# Altium PCB STM8_LQFP64_DEVELOPMENT_BOARD.PcbDoc
Units mil, origin at the board's own origin, x right, y up, seen from the top; angles counter-clockwise.
Board outline 3740.16 x 2362.2 mil, 2 copper layers (Top Layer, Bottom Layer); 45 components, 72 nets, 232 pads, 5 vias.
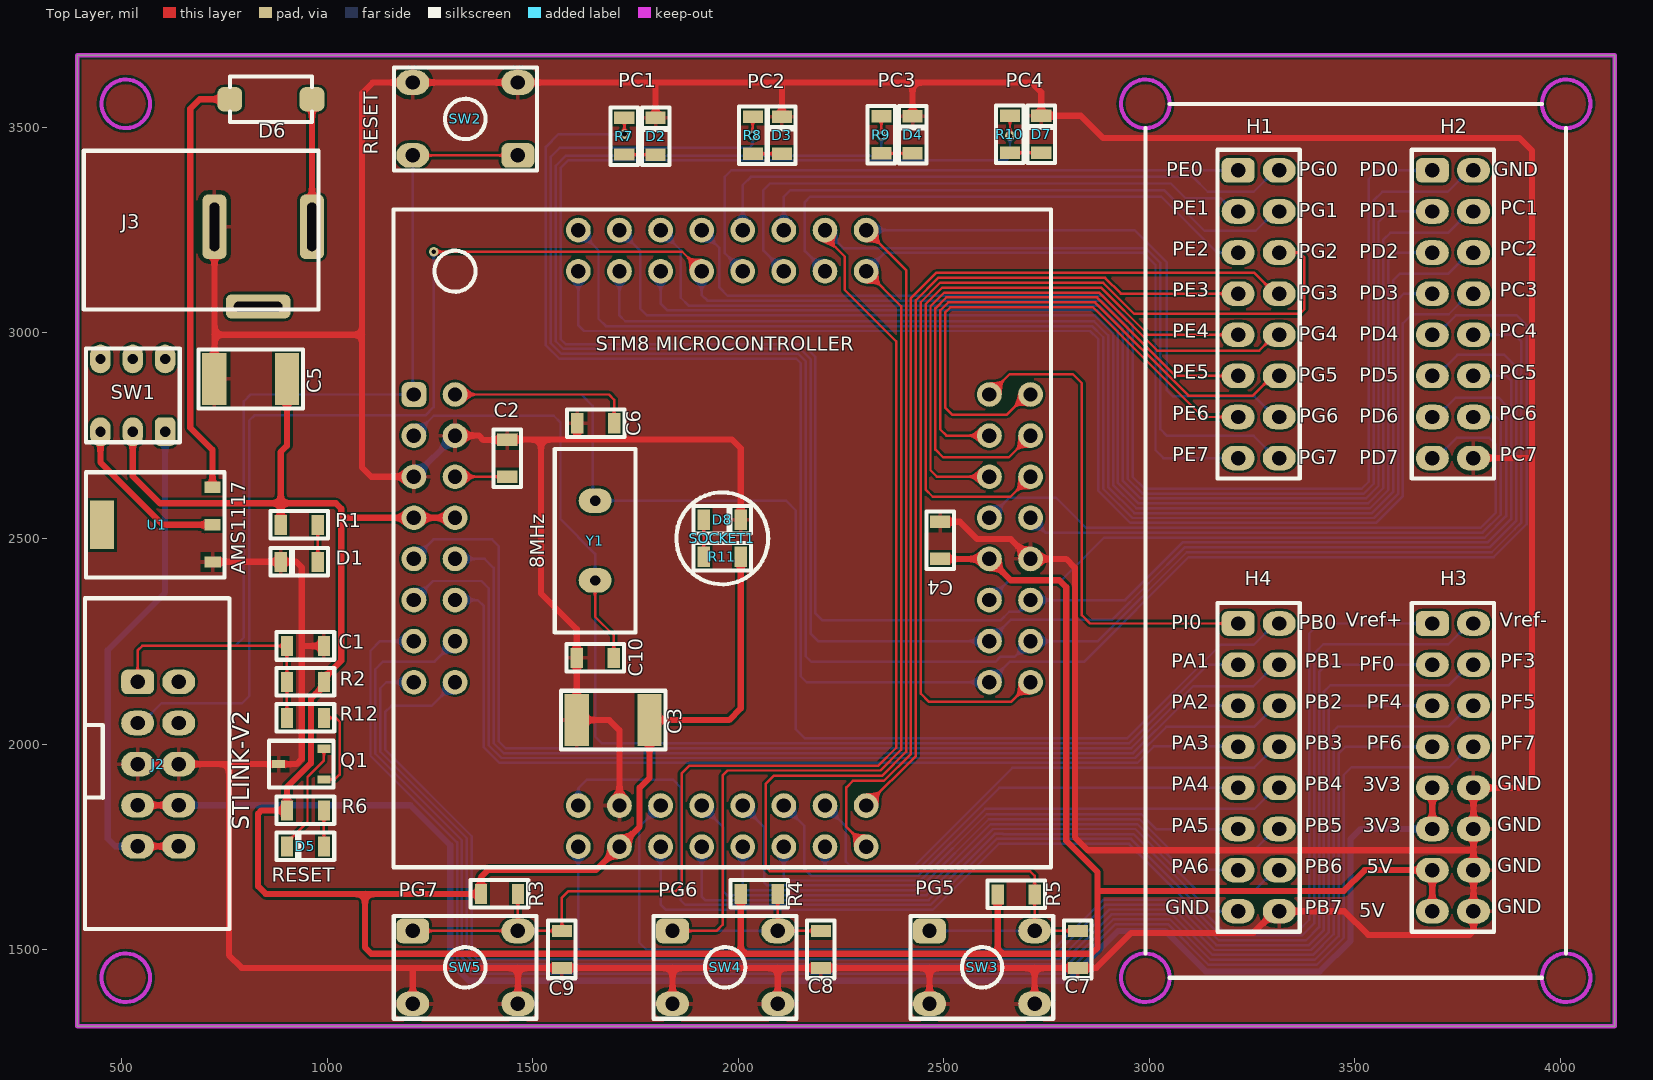
[diagram p0: Top Layer view]
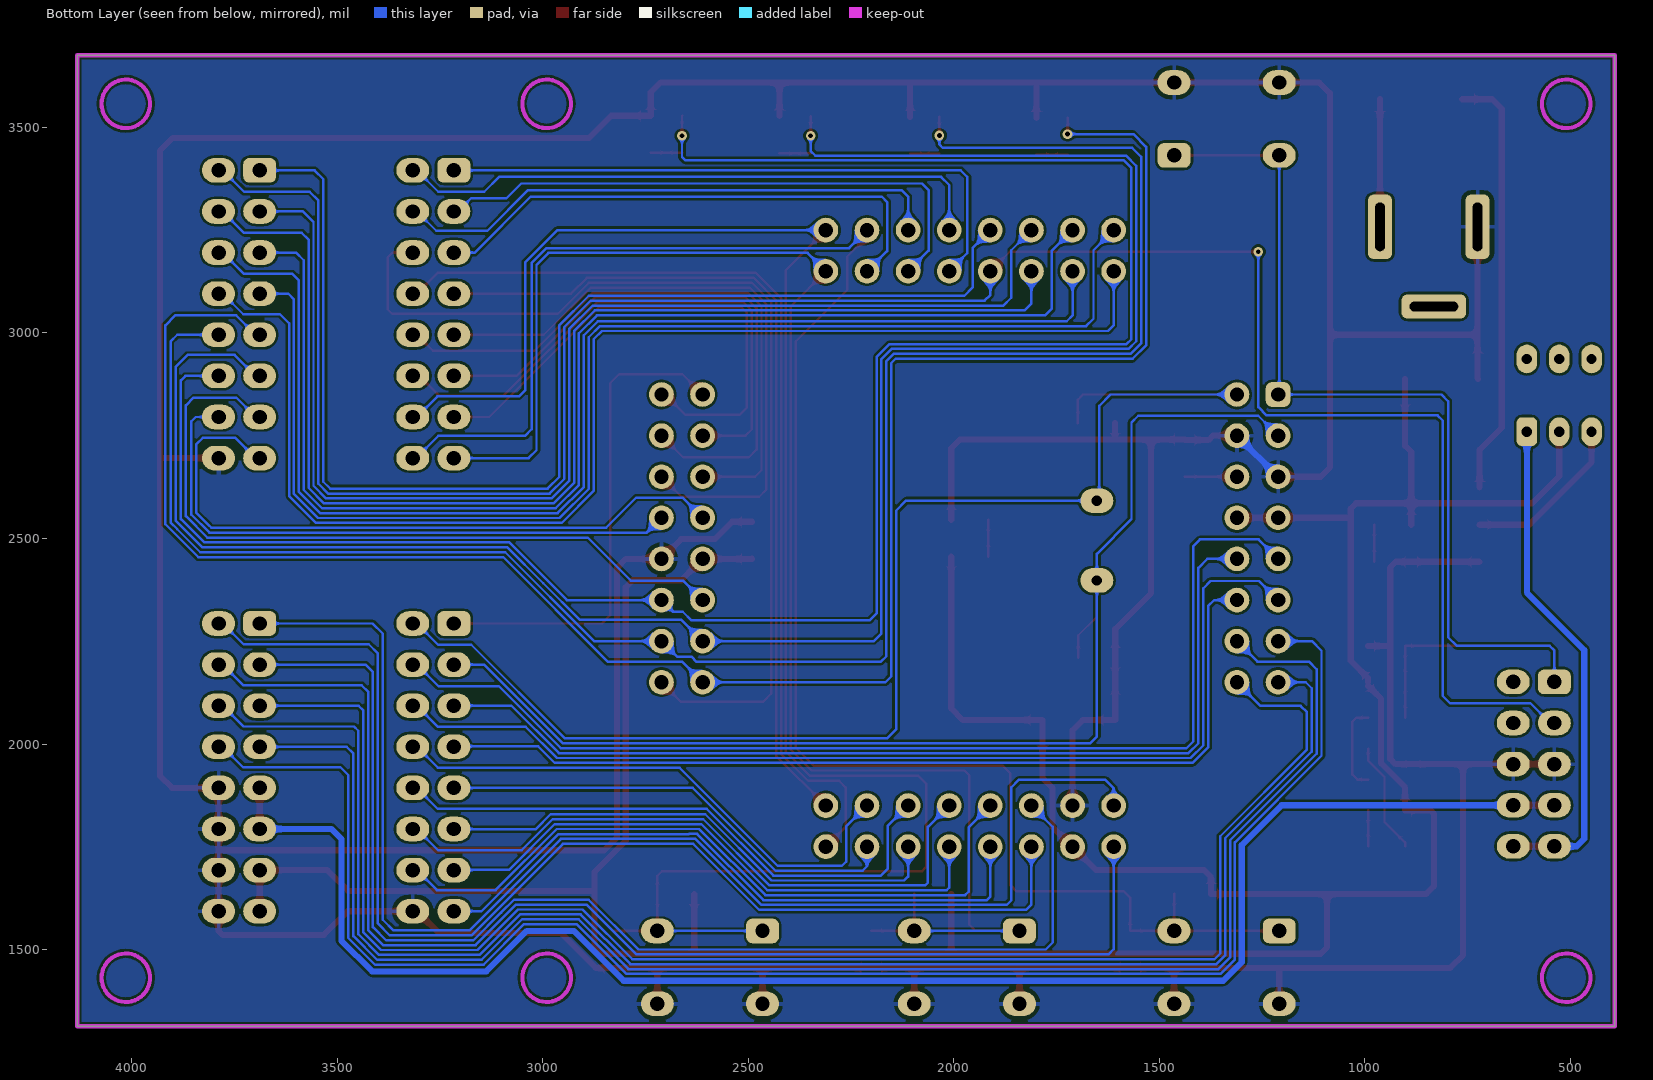
[diagram p1: Bottom Layer view, seen from below]

## Layer stack, top to bottom
Top Solder: solder mask 0.4, Solder Resist, Dk 3.5
Top Layer: signal copper 1.4
Dielectric 1: dielectric 12.6, FR-4, Dk 4.8
Bottom Layer: signal copper 1.4
Bottom Solder: solder mask 0.4, Solder Resist, Dk 3.5

## Board outline
392.31,1313.36 392.31,3675.57 4132.46,3675.57 4132.46,1313.36

## Design rules (kind name [scope] priority, off if disabled: settings)
Clearance [All] p1: gap=5.91 ignorepadtopadclearanceinfootprint=FALSE
PolygonConnect [All] p1: connectstyle=Relief reliefconductorwidth=10 reliefentries=4 polygonreliefangle="90 Angle" airgapwidth=10
RoutingVias [All] p1: holewidth=11.81 width=23.62 viastyle="Through Hole" minholewidth=11.81 minwidth=23.62 maxholewidth=11.81 maxwidth=23.62
SolderMaskExpansion [All] p1: expansion=4 istentingtop=FALSE
Width [All] p1: maxlimit=15 minlimit=6 preferedwidth=6
30 further rules are at their usual default settings.

## Components (designator, comment, footprint, x,y, rotation, side; value= is the part's Value field where it differs from the comment)
C1 "104" C0805 947.32,2238.65 r180 top
C2 "104" C0805 1438.32,2695.65 r270 top
C3 "104" C1812 1695.89,2058.36 r0 top
C4 "104" C0805 2491.32,2495.65 r270 top
C5 "104" C1812 813.86,2888.36 r0 top
C6 "22p" C0805 1653.35,2780.47 r0 top
C7 "104" C0805 2826.31,1500.36 r270 top
C8 "104" C0805 2201.31,1500.36 r270 top
C9 "104" C0805 1571.31,1500.36 r270 top
C10 "22p" C0805 1652.35,2209.47 r0 top
D1 "POWER" L0805RED 932.31,2443.36 r180 top
D2 "PC1" L0805RED 1799.35,3478.47 r90 top
D3 "PC2" L0805RED 2106.32,3480.65 r90 top
D4 "PC3" L0805RED 2424.35,3482.47 r90 top
D5 "RESET" L0805RED 947.32,1751.15 r180 top
D6 "1N4007" DO-214AC 863.35,3568.47 r180 top
D7 "PC4" L0805RED 2737.35,3483.47 r90 top
D8 "POWER" L0805RED 1961.32,2545.65 r0 top
H1 "HEADER-MALE-DOUBLE" HEADER-MALE-DOUBLE-16PINS-2.54MM 3266.32,3045.64 r0 top
H2 "HEADER-MALE-DOUBLE" HEADER-MALE-DOUBLE-16PINS-2.54MM 3738.76,3045.64 r0 top
H3 "HEADER-MALE-DOUBLE" HEADER-MALE-DOUBLE-16PINS-2.54MM 3738.76,1943.28 r0 top
H4 "HEADER-MALE-DOUBLE" HEADER-MALE-DOUBLE-16PINS-2.54MM 3266.32,1943.28 r0 top
J2 "STLINK-V2" IDC_CONNECTOR_10x2.54 589.16,1951.16 r0 top
J3 "Connector" DC_K375A_Power 675.77,2746.43 r270 top
Q1 "2N3906" SOT23-3 937.21,1951.05 r90 top
R1 "10k" R0805 932.31,2533.36 r180 top
R2 "10k" R0805 947.32,2151.15 r180 top
R3 "10k" R0805 1419.28,1635.36 r0 top
R4 "10k" R0805 2051.31,1635.36 r0 top
R5 "10k" R0805 2676.35,1634.47 r0 top
R6 "10k" R0805 947.32,1838.65 r180 top
R7 "10k" R0805 1723,3479 r90 top
R8 "10k" R0805 2035.67,3481 r90 top
R9 "10k" R0805 2348.34,3482 r90 top
R10 "10k" R0805 2661.02,3483.47 r90 top
R11 "10k" R0805 1961.32,2455.65 r0 top
R12 "10k" R0805 947.32,2063.65 r0 top
SOCKET1 "STM8 MICROCONTROLLER" SOCKET-ADAPTER-OTQ-64-05-03 1961.31,2500.36 r0 top
SW1 "SWITCH" "SWITCH 5.8x5.8 6 PINS" 527.31,2848.36 r180 top
SW2 "RESET" BUTTON_HOLE_4.3mm 1336.32,3520.65 r270 top
SW3 "PG5" BUTTON_HOLE_4.3mm 2593.35,1456.78 r90 top
SW4 "PG6" BUTTON_HOLE_4.3mm 1968.35,1456.78 r90 top
SW5 "PG7" BUTTON_HOLE_4.3mm 1336.32,1456.78 r90 top
U1 "AMS1117" SOT223-3 585.18,2533.36 r90 top
Y1 "8MHz" HC-49_THROUGH 1652.19,2494.58 r270 top

## Footprints (in the part's own frame and the unit in brackets; to place one, negate y for a bottom-side part, rotate by r counter-clockwise, add the part's x,y. Pads: shape width x height; smd on the part's side, far side on the other; paste and mask are expansions set on the pad)
BUTTON_HOLE_4.3mm [mil]
  rrect50% 60x80 hole 35: 1(88.58,127.95)
  oval 60x80 hole 35: 2(88.58,-127.95) 3(-88.58,127.95) 4(-88.58,-127.95)
  silkscreen extent -125,-173 125,174, body extent -118,-152 118,152, height 169
C0805 [mil]
  rect 30x48.82 smd: 1(-45,0) 2(45,0)
  silkscreen extent -70,-33 70,33, body extent -39,-24 39,24, height 39
C1812 [mm]
  rect 1.5x3.2 smd: 1(-2.25,0) 2(2.25,0)
  silkscreen extent -3.22,-1.82 3.23,1.81, body extent -2.25,-1.6 2.25,1.6, height 0.97
DC_K375A_Power [mm]
  rrect50% 4x1.5 hole 0.6 slot 3 at 0 deg: 1(-13,7.3) 2(-13,1.275)
  rrect50% 1.5x4 hole 0.6 slot 3 at 90 deg: 3(-8.075,3.975)
  silkscreen extent -17.7,-6.8 -7.9,7.7, body extent -17.7,-6.8 -7.9,7.7, height 11
DO-214AC [mil]
  rrect50% 60x59.06 smd: 1(-100,0) 2(100,0)
  silkscreen extent -100,-55 100,55, body extent -98,-53 98,53, height 85
HC-49_THROUGH [mil]
  oval 60x80 hole 25: 1(-97.44,0) 2(96.46,0)
  silkscreen extent -223,-98 223,98, body extent -223,-98 223,98, height 145
HEADER-MALE-DOUBLE-16PINS-2.54MM [mil]
  rrect50% 80x60 hole 35: 1(-50,350)
  oval 80x60 hole 35: 2(50,350) 3(-50,250) 4(50,250) 5(-50,150) 6(50,150) 7(-50,50) 8(50,50) 9(-50,-50) 10(50,-50) 11(-50,-150) 12(50,-150) 13(-50,-250) 14(50,-250) 15(-50,-350) 16(50,-350)
  silkscreen extent -100,-400 100,400, body extent -100,-400 100,400, height 350
IDC_CONNECTOR_10x2.54 [mil]
  rrect50% 80x60 hole 35: 1(-50,200)
  oval 80x60 hole 35: 2(50,200) 3(-50,100) 4(50,100) 5(-50,0) 6(50,0) 7(-50,-100) 8(50,-100) 9(-50,-200) 10(50,-200)
  silkscreen extent -178,-402 173,404, body extent -177,-404 173,404, height 122
L0805RED [mil]
  rect 30x48.82 smd: 1(-45,0) 2(45,0)
  silkscreen extent -70,-35 70,35, body extent -39,-25 39,25, height 43
R0805 [mil]
  rect 30x48.82 smd: 1(-45,0) 2(45,0)
  silkscreen extent -70,-33 70,33, body extent -39,-25 40,25, height 18
SOCKET-ADAPTER-OTQ-64-05-03 [mil]
  rrect50% 60x60 hole 35: 1(-750,350)
  round 60 hole 35: 2(-650,350) 3(-750,250) 4(-650,250) 5(-750,150) 6(-650,150) 7(-750,50) 8(-650,50) 9(-750,-50) 10(-650,-50) 11(-750,-150) 12(-650,-150) 13(-750,-250) 14(-650,-250) 15(-750,-350) 16(-650,-350) 17(-350,-750) 18(-350,-650) 19(-250,-750) 20(-250,-650) 21(-150,-750) 22(-150,-650) 23(-50,-750) 24(-50,-650) 25(50,-750) 26(50,-650) 27(150,-750) 28(150,-650) 29(250,-750) 30(250,-650) 31(350,-750) 32(350,-650) 33(750,-350) 34(650,-350) 35(750,-250) 36(650,-250) 37(750,-150) 38(650,-150) 39(750,-50) 40(650,-50) 41(750,50) 42(650,50) 43(750,150) 44(650,150) 45(750,250) 46(650,250) 47(750,350) 48(650,350) 49(350,750) 50(350,650) 51(250,750) 52(250,650) 53(150,750) 54(150,650) 55(50,750) 56(50,650) 57(-50,750) 58(-50,650) 59(-150,750) 60(-150,650) 61(-250,750) 62(-250,650) 63(-350,750) 64(-350,650)
  silkscreen extent -800,-800 800,800, body extent -800,-800 800,800, height 374
SOT23-3 [mm]
  rect 0.5x0.8 smd: 1(-0.95,-1.4) 2(0.95,-1.4) 3(0,1.4)
  silkscreen extent -1.45,-2 1.45,2, body extent -1.45,-1.4 1.45,1.4, height 1.3
SOT223-3 [mm]
  rect 0.7x1 smd: 1(-2.3,-3.475) 2(0,-3.45) 3(2.325,-3.45)
  rect 3x1.5 smd: 4(0,3.375)
  silkscreen extent -3.25,-4.2 3.25,4.35, body extent -3.25,-3.5 3.25,3.5, height 1.7
"SWITCH 5.8x5.8 6 PINS" [mm]
  rrect50% 1.27x1.778 hole 0.635: 1(-2,2.25)
  oval 1.27x1.778 hole 0.635: 2(0,2.25) 3(2,2.25) 4(2,-2.25) 5(0,-2.25) 6(-2,-2.25)
  silkscreen extent -2.9,-2.9 2.9,2.9, body extent -2.9,-2.9 2.9,2.9, height 10

## Part data
C1 C2 C3 C4 C5 C6 C7 C8 C9 C10: library part Capacitors(SMD)
D1 D2 D3 D4 D5 D7 D8: library part LED0805
D6: library part Diode-1N4007
H1 H2 H3 H4: library part HEADER-MALE-DOUBLE-16PINS-2.54MM
J2: library part IDC_2.54_5x2
J3: library part JackDC
Q1: library part "Transistor-2N3906 (SOT-23)"
R1 R2 R3 R4 R5 R6 R7 R8 R9 R10 R11 R12: library part Resistors-SMD
SOCKET1: library part Mcu-SOCKET-ADAPTER-OTQ-64-05-03
SW1: library part SWITCH-DPDT
SW2 SW3 SW4 SW5: library part "Button Hole"
U1: library part Ic-AMS1117(SOT-223)
Y1: library part Crystal

## Via types
v1: diameter 23.62, hole 11.81, Top Layer to Bottom Layer, tented both sides, 5 vias

## Nets (pads, with @x,y where several pads share a name; then routed paths per layer and width w, separated by ;. In a path a pad name is that pad's centre, name@x,y a point inside that pad or via, vN(x,y) a via of type N, cw(c..) or ccw(c..) an arc to the next point about the centre after c; other vN are vias at no path point)
3V3: H3.9 H3.11 J2.7 J2.8 | length 3972.9
  Top Layer w15: J2.7 J2.8 ; H3.11 H3.9
  Bottom Layer w15: J2.8 1202.77,1851.16 1299.82,1754.11 1299.82,1469.15 1344.73,1424.24 2803.63,1424.24 2924.77,1545.38 3038.53,1545.38 3137.1,1446.81 3415.03,1446.81 3489.73,1521.5 3489.73,1769.05 3513.96,1793.28 H3.11
GND: C1.1 C2.1 C3.1 C4.1 C5.1 C6.1 C7.2 C8.2 C9.2 C10.1 D1.2 D2.2 D3.2 D4.2 D7.2 D8.2 H2.16 H3.10 H3.12 H3.14 H3.16 H4.16 J2.5 J2.6 J3.2 Q1.3 SOCKET1.4 SOCKET1.5 SOCKET1.20 SOCKET1.39 SW2.3 SW2.4 SW3.3 SW3.4 SW4.3 SW4.4 SW5.3 SW5.4 U1.1 | length 16497.8
  Top Layer w15: J2.5 J2.6 761.32,1951.16 ; U1.1 722.54,2443.36 D1.2 924.61,2443.36 938.32,2429.65 938.32,1963.65 925.73,1951.05 Q1.3 881.98,1951.16 761.32,1951.16 ; C5.1 725.97,2889.05 725.97,2995.65 ; J3.2 725.97,2995.65 ; 944.32,2238.65 C1.1 ; SW5.3 1208.37,1455.31 1208.32,1455.36 ; SOCKET1.5 1107.61,2650.36 1085.32,2672.65 1085.32,2995.65 ; SOCKET1.4 1369.61,2750.36 1380.32,2739.65 1437.32,2739.65 C2.1 1520.32,2740.65 ; SW5.4 1464.28,1455.36 ; C6.1 1608.35,2741.62 1609.32,2740.65 ; SOCKET1.20 1711.3,2033.67 1686.61,2058.36 C3.1 1607.35,2058.41 C10.1 1607.35,2279.62 1520.32,2366.65 1520.32,2740.65 ; D2.2 1799.35,3608.65 ; SW4.3 1840.4,1455.36 ; D8.2 2006.32,2719.65 1985.32,2740.65 1609.32,2740.65 ; SW4.4 2096.31,1455.36 ; D3.2 2106.32,3608.65 ; D4.2 2424.35,3609.23 ; SW3.3 2465.4,1455.36 ; C4.1 2539.32,2540.65 2581.32,2498.65 2663.02,2498.65 SOCKET1.39 2797.61,2450.36 2819.23,2428.74 2819.23,1773.31 2850.89,1741.65 3787.13,1741.65 3788.76,1743.28 ; SW3.4 2721.31,1455.36 ; D7.2@2737.32,3528.5 2737.32,3585.65 2713.74,3609.23 2424.35,3609.23 ; D7.2 2833.5,3528.47 2887.41,3474.56 3900.41,3474.56 3931.32,3443.65 3931.32,2696.65 ; H2.16 3930.32,2695.65 3931.32,2696.65 ; 725.97,2995.65 1085.32,2995.65 ; 761.32,1951.16 761.32,1486.65 792.61,1455.36 1208.32,1455.36 ; 1085.32,2995.65 1085.32,3583.65 1110.91,3609.23 SW2.4 SW2.3 2424.35,3609.23 ; 1208.32,1455.36 1464.28,1455.36 ; 1464.28,1455.36 C9.2 1840.4,1455.36 ; 1520.32,2740.65 1609.32,2740.65 ; 1840.4,1455.36 2096.31,1455.36 ; 2096.31,1455.36 C8.2 2465.4,1455.36 ; 2465.4,1455.36 2721.31,1455.36 ; 2721.31,1455.36 C7.2 2871.04,1455.36 2956.32,1540.65 3253.69,1540.65 3306.32,1593.28 H4.16 3474.69,1593.28 3532.32,1535.65 3779.32,1535.65 3788.76,1545.09 H3.16 H3.14 3788.76,1743.28 ; 3788.76,1743.28 H3.12 H3.10 3901.96,1893.28 3931.32,1922.65 3931.32,2696.65
  Bottom Layer w15: SOCKET1.5 SOCKET1.4
NetC2_2: C2.2 SOCKET1.6 | length 127.1
  Top Layer w6: SOCKET1.6 1438.04,2650.36 C2.2
NetD1_1: D1.1 R1.1 | length 90
  Top Layer w6: D1.1 R1.1
NetD2_1: D2.1 R7.1 | length 76.6
  Top Layer w6: R7.1 1798.83,3434 D2.1
NetD3_1: D3.1 R8.1 | length 70.8
  Top Layer w6: R8.1 2105.97,3436 D3.1
NetD4_1: D4.1 R9.1 | length 76.2
  Top Layer w6: R9.1 2423.88,3437 D4.1
NetD5_1: D5.1 R6.1 | length 87.5
  Top Layer w6: D5.1 R6.1
NetD5_2: D5.2 Q1.2 | length 274.6
  Top Layer w6: D5.2 902.32,1760.56 952.32,1810.56 952.32,1919.65 992.32,1959.65 Q1.2
NetD6_1: D6.1 J3.1 | length 310.3
  Top Layer w15: J3.1 963.17,3568.3 D6.1
NetD6_2: D6.2 U1.3 | length 1048.5
  Top Layer w15: U1.3 721.01,2715.82 667.32,2769.5 667.32,3545.65 690.15,3568.47 D6.2
NetD7_1: D7.1 R10.1 | length 76.3
  Top Layer w6: R10.1 D7.1
NetD8_1: D8.1 R11.1 | length 90
  Top Layer w6: R11.1 D8.1
NetJ2_9: J2.9 J2.10 SW1.1 | length 1228.5
  Top Layer w15: J2.9 J2.10
  Bottom Layer w15: J2.9 484.81,1751.16 466.32,1769.65 466.32,2228.65 606.05,2368.37 SW1.1
NetQ1_1: Q1.1 R12.2 | length 213.7
  Top Layer w6: Q1.1 1018.32,1913.65 1030.32,1925.65 1030.32,2054.65 1021.32,2063.65 R12.2
NetSW1_3: SW1.3 U1.2 | length 409.8
  Top Layer w15: SW1.3 448.57,2685.4 600.61,2533.36 U1.2
PA1: C6.2 H4.2 SOCKET1.2 Y1.1 | length 3360.3
  Top Layer w6: SOCKET1.2 1685.61,2850.36 1698.35,2837.62 C6.2
  Bottom Layer w6: SOCKET1.2 1618.61,2850.36 1646.32,2822.65 1646.32,2597.89 Y1.1 2116.14,2592.02 2140.51,2567.65 2140.51,2035.46 2162.32,2013.65 2946.14,2013.65 3174.14,2241.65 3254.69,2241.65 3306.32,2293.28 H4.2
PA2: C10.2 H4.3 SOCKET1.3 Y1.2 | length 3039.5
  Top Layer w6: Y1.2 1652.19,2309.78 1697.35,2264.62 C10.2
  Bottom Layer w6: SOCKET1.3 1259.59,2798.65 1551.32,2798.65 1567.84,2782.13 1567.84,2547.13 1652.19,2462.78 Y1.2 1652.19,2018.78 1669.23,2001.74 2951.07,2001.74 3142.61,2193.28 H4.3
PA3: H4.4 SOCKET1.9 | length 2697.5
  Bottom Layer w6: SOCKET1.9 1258.59,2497.65 1401.32,2497.65 1417.23,2481.74 1417.23,2006.74 1434.13,1989.84 2956,1989.84 3106.81,2140.65 3253.69,2140.65 3306.32,2193.28 H4.4
PA4: H4.5 SOCKET1.10 | length 2398.5
  Bottom Layer w6: SOCKET1.10 1383.61,2450.36 1405.32,2428.65 1405.32,2027.32 1405.32,2001.81 1429.2,1977.93 1454.71,1977.93 2960.93,1977.93 3076.29,2093.28 H4.5
PA5: H4.6 SOCKET1.11 | length 2578.8
  Bottom Layer w6: SOCKET1.11 1257.59,2396.65 1375.32,2396.65 1393.42,2378.55 1393.42,2022.39 1393.42,1996.88 1424.27,1966.02 1449.78,1966.02 2965.87,1966.02 3041.49,2041.65 3254.69,2041.65 3306.32,2093.28 H4.6
PA6: H4.7 SOCKET1.12 | length 2287.7
  Bottom Layer w6: SOCKET1.12 1366.61,2350.36 1381.51,2335.46 1381.51,2017.46 1381.51,1991.95 1419.34,1954.12 1444.85,1954.12 2970.8,1954.12 3011.32,1994.65 3214.96,1994.65 H4.7
PB0: H4.8 SOCKET1.30 | length 1335.8
  Bottom Layer w6: SOCKET1.30 2262.32,1799.34 2262.32,1713.65 2272.17,1703.8 2428.94,1703.8 2667.36,1942.21 3255.26,1942.21 3306.32,1993.28 H4.8
PB1: H4.9 SOCKET1.29 | length 1140.6
  Bottom Layer w6: SOCKET1.29 2211.3,1702.67 2222.08,1691.89 2433.87,1691.89 2635.26,1893.28 H4.9
PB2: H4.10 SOCKET1.28 | length 1425.1
  Bottom Layer w6: SOCKET1.28 2161.32,1800.34 2161.32,1695.98 2177.32,1679.98 2438.8,1679.98 2601.47,1842.65 3255.69,1842.65 3306.32,1893.28 H4.10
PB3: H4.11 SOCKET1.27 | length 1263.2
  Bottom Layer w6: SOCKET1.27 2111.3,1677.67 2120.89,1668.08 2443.74,1668.08 2604.74,1829.08 2980.89,1829.08 3016.69,1793.28 H4.11
PB4: H4.12 SOCKET1.26 | length 1584.3
  Bottom Layer w6: SOCKET1.26 2063.32,1798.34 2063.32,1662.65 2069.8,1656.17 2448.67,1656.17 2609.67,1817.17 2975.96,1817.17 3051.49,1741.65 3254.69,1741.65 3306.32,1793.28 H4.12
PB5: H4.13 SOCKET1.25 | length 1420.4
  Bottom Layer w6: SOCKET1.25 2011.3,1650.67 2017.7,1644.27 2453.6,1644.27 2614.6,1805.27 2971.03,1805.27 3082.65,1693.65 3215.96,1693.65 H4.13
PB6: H4.14 SOCKET1.24 | length 1735.5
  Bottom Layer w6: SOCKET1.24 1964.32,1797.34 1964.32,1640.65 1972.61,1632.36 2458.53,1632.36 2619.53,1793.36 2966.1,1793.36 3114.81,1644.65 3257.69,1644.65 3306.32,1693.28 H4.14
PB7: H4.15 SOCKET1.23 | length 1574.8
  Bottom Layer w6: SOCKET1.23 1911.3,1628.67 1919.51,1620.46 2463.46,1620.46 2624.46,1781.46 2644.19,1781.46 2644.62,1781.02 2961.6,1781.02 3149.34,1593.28 H4.15
PC1: H2.9 R7.2 SOCKET1.34 | length 4800.8
  Top Layer w6: R7.2 1723.32,3523.68 v1(1723.32,3483.65)
  Bottom Layer w6: v1(1723.32,3483.65) 1563.32,3483.65 1532.51,3452.83 1532.51,3266.65 1532.51,3012.78 1532.51,2969.95 1565.19,2937.27 2141.87,2937.27 2152.42,2926.71 2152.42,2164.55 2166.61,2150.36 SOCKET1.34 2661.59,2200.65 2842.32,2200.65 3096.32,2454.65 3838.27,2454.65 3918.32,2534.7 3918.32,3018.65 3894.32,3042.65 3745.76,3042.65 3698.76,2995.65 H2.9
PC2: H2.10 R8.2 SOCKET1.35 | length 4831.9
  Top Layer w6: v1(2035.32,3480.65) 2035.32,3525.65 R8.2
  Bottom Layer w6: v1(2035.32,3480.65) 2035.32,3458.65 2027.32,3450.65 1566.32,3450.65 1544.42,3428.74 1544.42,2974.88 1570.12,2949.17 2146.8,2949.17 2164.32,2931.65 2164.32,2213.65 2178.32,2199.65 2625.65,2199.65 2638.56,2212.55 2673.5,2212.55 SOCKET1.35 2875.2,2250.36 3091.39,2466.55 3833.33,2466.55 3889.38,2522.59 3889.38,2522.86 3905.23,2538.71 3905.23,2979.74 3889.32,2995.65 H2.10
PC3: H2.11 R9.2 SOCKET1.36 | length 5081.6
  Top Layer w6: v1(2348.32,3479.65) R9.2
  Bottom Layer w6: v1(2348.32,3479.65) 2348.32,3442.65 2337.32,3431.65 1581.32,3431.65 1556.32,3406.65 1556.32,2979.81 1575.06,2961.08 2151.73,2961.08 2176.23,2936.58 2176.23,2268.74 2194.61,2250.36 SOCKET1.36 2663.59,2302.65 2910.38,2302.65 2998.85,2391.12 3086.19,2478.46 3828.14,2478.46 3893.32,2543.65 3893.32,2917.65 3864.32,2946.65 3749.76,2946.65 3698.76,2895.65 H2.11
PC4: H2.12 R10.2 SOCKET1.37 | length 5117.9
  Top Layer w6: R10.2 2661.32,3528.17 v1(2661.32,3479.65)
  Bottom Layer w6: v1(2661.32,3479.65) 2661.32,3427.84 2653.23,3419.74 1586.26,3419.74 1568.23,3401.72 1568.23,2984.74 1579.99,2972.98 2156.66,2972.98 2188.14,2941.51 2188.14,2317.84 2205.32,2300.65 2638.32,2300.65 2659.51,2321.84 2682.78,2321.84 SOCKET1.37 2941.26,2350.36 3081.26,2490.36 3823.2,2490.36 3860.91,2528.06 3880.23,2547.39 3880.23,2884.74 3869.32,2895.65 H2.12
PC5: H2.13 SOCKET1.38 | length 1817.7
  Bottom Layer w6: SOCKET1.38 2658.59,2397.65 2786.15,2397.65 2890.77,2502.27 3816.27,2502.27 3868.32,2554.32 3868.32,2823.65 3849.32,2842.65 3745.76,2842.65 3698.76,2795.65 H2.13
PC6: H2.14 SOCKET1.41 | length 1474.7
  Bottom Layer w6: SOCKET1.41 2747.49,2514.17 3811.2,2514.17 3855.23,2558.2 3855.23,2784.74 3844.32,2795.65 H2.14
PC7: H2.15 SOCKET1.42 | length 1645.3
  Bottom Layer w6: SOCKET1.42 2660.59,2599.65 2772.58,2599.65 2846.15,2526.08 3806.27,2526.08 3811.6,2531.41 3843.32,2563.13 3843.32,2728.65 3827.32,2744.65 3747.76,2744.65 3698.76,2695.65 H2.15
PD0: H2.1 SOCKET1.57 | length 3062.8
  Bottom Layer w6: SOCKET1.57 1911.31,3249.66 1954.32,3206.65 1954.32,3110.65 1974.42,3090.55 2888.28,3090.55 2959.66,3019.17 2959.66,2650.17 2988.51,2621.32 3517.14,2621.32 3533.99,2638.17 3533.99,3374.31 3555.32,3395.65 H2.1
PD1: H2.2 J2.3 SOCKET1.58 | length 5561.3
  Top Layer w6: v1(1259.32,3197.65) 1864.02,3197.65 SOCKET1.58
  Bottom Layer w6: J2.3 549.16,2051.16 597.35,2099.35 793.03,2099.35 810.59,2116.91 810.59,2786.91 823.32,2799.65 1239.32,2799.65 1259.32,2819.65 v1(1259.32,3197.65) ; SOCKET1.58 1911.31,3092.66 1925.32,3078.65 2883.35,3078.65 2947.76,3014.23 2947.76,2645.23 2983.57,2609.42 3522.07,2609.42 3545.89,2633.23 3545.89,3322.21 3567.32,3343.65 3726.76,3343.65 3778.76,3395.65 H2.2
PD2: H2.3 SOCKET1.59 | length 3096.9
  Bottom Layer w6: SOCKET1.59 1860.32,3201.34 1860.32,3085.65 1879.23,3066.74 2878.41,3066.74 2935.85,3009.3 2935.85,2640.3 2978.64,2597.51 3527.01,2597.51 3557.8,2628.3 3557.8,3270.12 3583.32,3295.65 H2.3
PD3: H2.4 SOCKET1.60 | length 3121.4
  Bottom Layer w6: SOCKET1.60 1811.31,3071.66 1828.13,3054.84 2873.48,3054.84 2923.95,3004.37 2923.95,2635.37 2973.71,2585.61 3531.94,2585.61 3569.7,2623.37 3569.7,3227.02 3586.32,3243.65 3726.76,3243.65 3778.76,3295.65 H2.4
PD4: H2.5 SOCKET1.61 | length 3141.1
  Bottom Layer w6: SOCKET1.61 1762.32,3199.34 1762.32,3058.65 1778.04,3042.93 2868.55,3042.93 2912.04,2999.44 2912.04,2630.44 2968.78,2573.7 3536.87,2573.7 3581.61,2618.44 3581.61,3176.93 3600.32,3195.65 H2.5
PD5: H2.6 SOCKET1.62 | length 3164.3
  Bottom Layer w6: SOCKET1.62 1711.31,3042.66 1725.32,3028.65 2866,3028.65 2900.14,2994.51 2900.14,2625.51 2963.85,2561.8 3541.8,2561.8 3593.51,2613.51 3593.51,3127.84 3609.32,3143.65 3726.76,3143.65 3778.76,3195.65 H2.6
PD6: H2.7 SOCKET1.63 | length 3184.6
  Bottom Layer w6: SOCKET1.63 1660.32,3201.34 1660.32,3034.65 1678.23,3016.74 2861.07,3016.74 2888.23,2989.58 2888.23,2620.58 2958.92,2549.89 3546.73,2549.89 3605.42,2608.58 3605.42,3081.74 3619.32,3095.65 H2.7
PD7: H2.8 SOCKET1.64 | length 3201.4
  Bottom Layer w6: SOCKET1.64 1611.31,3018.66 1625.13,3004.84 2856.14,3004.84 2876.32,2984.65 2876.32,2615.65 2953.99,2537.98 3551.66,2537.98 3617.32,2603.65 3617.32,3023.65 3639.32,3045.65 3728.76,3045.65 3778.76,3095.65 H2.8
PE0: H1.1 SOCKET1.56 | length 1503.1
  Bottom Layer w6: SOCKET1.56 1967.32,3194.34 1967.32,3379.65 1983.32,3395.65 H1.1
PE1: H1.2 SOCKET1.55 | length 1459.2
  Bottom Layer w6: SOCKET1.55 2011.31,3360 2030.95,3379.65 3106.32,3379.65 3142.32,3343.65 3254.32,3343.65 3306.32,3395.65 H1.2
PE2: H1.3 SOCKET1.54 | length 1407.8
  Bottom Layer w6: SOCKET1.54 2061.32,3200.34 2061.32,3347.65 2077.32,3363.65 3052.32,3363.65 3088.32,3327.65 3174.32,3327.65 3206.32,3295.65 H1.3
PE3: H1.4 SOCKET1.53 | length 1353.4
  Bottom Layer w6: SOCKET1.53 2111.31,3331.63 2127.32,3347.65 3035.95,3347.65 3134.95,3248.65 3259.32,3248.65 3306.32,3295.65 H1.4
PE4: H1.5 SOCKET1.52 | length 1304.3
  Bottom Layer w6: SOCKET1.52 2162.32,3199.34 2162.32,3318.65 2175.32,3331.65 3029.32,3331.65 3165.32,3195.65 H1.5
PE5: H1.6 SOCKET1.33 | length 2427.9
  Top Layer w6: SOCKET1.33 2663.59,2102.65 2464.32,2102.65 2444.14,2122.84 2444.14,3074.78 2491.53,3122.17 2887.96,3122.17 2963.49,3046.65 3366.32,3046.65 3377.32,3057.65 3377.32,3183.65 3365.32,3195.65 H1.6
PE6: H1.7 SOCKET1.32 | length 2102
  Top Layer w6: SOCKET1.32 2432.23,1971.29 2432.23,3079.71 2486.59,3134.08 2892.89,3134.08 2931.32,3095.65 H1.7
PE7: H1.8 SOCKET1.31 | length 2405.6
  Top Layer w6: SOCKET1.31 2263.32,1798.34 2263.32,1894.65 2279.32,1910.65 2354.75,1910.65 2420.32,1976.22 2420.32,3084.65 2481.66,3145.98 3255.99,3145.98 3306.32,3095.65 H1.8
PF0: H3.3 SOCKET1.22 | length 3023.6
  Bottom Layer w6: SOCKET1.22 1759.32,1798.38 1759.32,1517.17 1776.32,1500.17 2767.26,1500.17 2888.39,1621.31 3069.99,1621.31 3101.49,1589.81 3168.56,1522.74 3381.23,1522.74 3413.14,1554.65 3413.14,2175.46 3430.96,2193.28 H3.3
PF3: H3.4 SOCKET1.17 | length 3145.7
  Bottom Layer w6: SOCKET1.17 1611.31,1500.66 1623.7,1488.27 2772.19,1488.27 2893.33,1609.4 3065.06,1609.4 3163.62,1510.84 3388.51,1510.84 3425.04,1547.36 3425.04,2127.36 3440.32,2142.65 3728.13,2142.65 3778.76,2193.28 H3.4
PF4: H3.5 SOCKET1.16 | length 3870.5
  Bottom Layer w6: SOCKET1.16 1253.58,2092.63 1156.31,2092.63 1141.32,2077.65 1141.32,1986.32 1351.95,1775.7 1351.95,1490.74 1366.32,1476.36 2782.04,1476.36 2903.18,1597.5 3060.12,1597.5 3158.69,1498.93 3393.44,1498.93 3436.95,1542.43 3436.95,2082.36 3447.87,2093.28 H3.5
PF5: H3.6 SOCKET1.15 | length 3914.8
  Bottom Layer w6: SOCKET1.15 1144.04,2150.36 1129.42,2135.74 1129.42,1981.39 1340.04,1770.77 1340.04,1494.44 1340.04,1485.8 1361.39,1464.46 1370.02,1464.46 2786.97,1464.46 2908.11,1585.59 3055.19,1585.59 3153.76,1487.02 3398.38,1487.02 3448.85,1537.5 3448.85,2032.45 3459.05,2042.65 3728.13,2042.65 3778.76,2093.28 H3.6
PF6: H3.7 SOCKET1.14 | length 3948.8
  Bottom Layer w6: SOCKET1.14 1261.59,2200.65 1136.32,2200.65 1117.51,2181.84 1117.51,1976.46 1328.13,1765.84 1328.13,1489.51 1328.13,1480.87 1356.46,1452.55 1365.09,1452.55 2791.9,1452.55 2913.04,1573.69 3050.26,1573.69 3148.83,1475.12 3403.31,1475.12 3460.76,1532.57 3460.76,1977.08 3476.96,1993.28 H3.7
PF7: H3.8 SOCKET1.13 | length 3983.5
  Bottom Layer w6: SOCKET1.13 1129.04,2250.36 1105.61,2226.93 1105.61,1971.53 1316.23,1760.9 1316.23,1475.94 1351.52,1440.65 2796.83,1440.65 2917.97,1561.78 3045.33,1561.78 3143.9,1463.21 3408.24,1463.21 3473.32,1528.3 3473.32,1924.65 3492.32,1943.65 3729.13,1943.65 3778.76,1993.28 H3.8
PG0: H1.9 SOCKET1.43 | length 1558
  Top Layer w6: SOCKET1.43 2662.59,2601.65 2473.32,2601.65 2456.04,2618.93 2456.04,3030.85 2456.04,3069.85 2496.46,3110.27 2883.03,3110.27 2997.65,2995.65 H1.9
PG1: H1.10 SOCKET1.44 | length 1485.8
  Top Layer w6: SOCKET1.44 2483.61,2650.36 2467.95,2666.02 2467.95,3025.92 2467.95,3064.92 2501.39,3098.36 2878.1,3098.36 3019.72,2956.74 3267.42,2956.74 3306.32,2995.65 H1.10
PG2: H1.11 SOCKET1.45 | length 1431.3
  Top Layer w6: SOCKET1.45 2658.59,2697.65 2498.32,2697.65 2479.85,2716.12 2479.85,3020.99 2479.85,3059.99 2506.32,3086.46 2873.17,3086.46 3063.98,2895.65 H1.11
PG3: H1.12 SOCKET1.46 | length 1362.1
  Top Layer w6: SOCKET1.46 2506.61,2750.36 2491.76,2765.21 2491.76,3016.06 2491.76,3055.06 2511.25,3074.55 2868.23,3074.55 3095.14,2847.65 3252.32,2847.65 3300.32,2895.65 H1.12
PG4: H1.13 SOCKET1.47 | length 1295
  Top Layer w6: SOCKET1.47 2702.68,2850.36 2653.97,2801.65 2520.32,2801.65 2503.66,2818.31 2503.66,3050.13 2516.18,3062.65 2863.3,3062.65 3130.3,2795.65 H1.13
PG5: C7.1 H1.14 R5.2 SOCKET1.49 SW3.1 SW3.2 | length 4418.9
  Top Layer w6: SOCKET1.49 2408.42,3153.25 2408.42,1981.15 2349.82,1922.55 2086.23,1922.55 2067.32,1903.65 2067.32,1700.65 2077.32,1690.65 2710.35,1690.65 2721.35,1679.65 R5.2 2721.31,1634.43 SW3.2 C7.1
  Bottom Layer w6: SOCKET1.49 2964.28,3250.36 3042.32,3172.32 3042.32,2861.65 3058.32,2845.65 3256.32,2845.65 3306.32,2795.65 H1.14 ; SW3.1 SW3.2
PG6: C8.1 H1.15 R4.2 SOCKET1.50 SW4.1 SW4.2 | length 3996.2
  Top Layer w6: SW4.1 1947.32,1545.36 1962.32,1560.36 1962.32,1923.65 1974.32,1935.65 2346.08,1935.65 2396.51,1986.08 2396.51,3065.16 SOCKET1.50 ; R4.2 SW4.2 C8.1
  Bottom Layer w6: SW4.1 SW4.2 ; SOCKET1.50 2355.59,3194.65 2986.32,3194.65 3015.32,3165.65 3015.32,2714.65 3034.32,2695.65 H1.15
PG7: C9.1 H1.16 R3.2 SOCKET1.51 SW5.1 SW5.2 | length 4560.8
  Top Layer w6: SW5.1 SW5.2 ; R3.2 SW5.2 ; SOCKET1.51 2221.64,3240.03 2221.64,3223.33 2259.32,3185.65 2259.32,3104.65 2384.61,2979.36 2384.61,1991.02 2341.14,1947.55 1881.23,1947.55 1862.32,1928.65 1862.32,1656.65 1847.32,1641.65 1586.32,1641.65 1571.31,1626.63 C9.1 SW5.2
  Bottom Layer w6: SOCKET1.51 2255.02,3206.65 2991.16,3206.65 3027.23,3170.58 3027.23,2765.74 3043.32,2749.65 3254.32,2749.65 3308.32,2695.65 H1.16
PI0: H4.1 SOCKET1.48 | length 1207.2
  Top Layer w6: SOCKET1.48 2660.59,2899.65 2814.32,2899.65 2836.32,2877.65 2836.32,2313.28 2856.32,2293.28 H4.1
RESET: C1.2 J2.1 R2.2 R12.1 SOCKET1.1 SW2.1 SW2.2 | length 2800.7
  Top Layer w6: J2.1 539.15,2227.48 550.32,2238.65 C1.2 R2.2 R12.1 ; SW2.2 SW2.1
  Bottom Layer w6: J2.1 539.15,2227.48 550.32,2238.65 776.32,2238.65 797.32,2259.65 797.32,2833.65 814.04,2850.36 SOCKET1.1 1208.37,2853.29 SW2.2
VCC: C3.2 C4.2 C5.2 H3.13 H3.15 R1.2 R2.1 R3.1 R4.1 R5.1 R6.2 R11.2 SOCKET1.7 SOCKET1.8 SOCKET1.19 SOCKET1.40 SW1.2 | length 8610.9
  Top Layer w15: SW1.2 527.31,2651.66 593.32,2585.65 887.31,2585.65 ; R1.2 887.31,2585.65 ; C5.2 902.44,2725.76 887.31,2710.63 887.31,2585.65 ; R2.1@992.32,2141.74 960.73,2110.14 960.73,1953.05 902.32,1894.65 R6.2 840.32,1838.65 832.32,1830.65 832.32,1653.65 850.61,1635.36 1092.32,1635.36 ; R2.1 992.32,2160.56 1034.32,2202.56 1034.32,2550.65 ; SOCKET1.8 SOCKET1.7 1034.61,2550.36 1034.32,2550.65 ; R4.1 2006.31,1489.65 ; R11.2 2006.32,2086.65 1978.04,2058.36 C3.2 1784.47,1917.79 1760.32,1893.65 1760.32,1799.38 SOCKET1.19 1654.59,1693.65 1392.28,1693.65 1374.28,1675.65 R3.1 1092.32,1635.36 ; C4.2 2491.61,2450.36 SOCKET1.40 2663.02,2398.65 2781.32,2398.65 2798.32,2381.65 2798.32,1764.65 2874.32,1688.65 2874.32,1639.65 ; R5.1 2631.35,1489.65 ; H3.15 H3.13 3523.96,1693.28 3473.32,1642.65 2877.32,1642.65 2874.32,1639.65 ; 887.31,2585.65 1021.32,2585.65 1034.32,2572.65 1034.32,2550.65 ; 1092.32,1635.36 1092.32,1504.65 1107.32,1489.65 2006.31,1489.65 ; 2006.31,1489.65 2631.35,1489.65 ; 2631.35,1489.65 2859.32,1489.65 2874.32,1504.65 2874.32,1639.65
VREF+: H3.1 SOCKET1.18 | length 3290.8
  Bottom Layer w6: SOCKET1.18 1611.31,1892.63 1631.32,1912.65 1842.32,1912.65 1860.32,1894.65 1860.32,1619.65 1871.42,1608.55 2468.39,1608.55 2628.96,1769.12 2955.85,1769.12 3178.42,1546.55 3363.23,1546.55 3389.32,1572.65 3389.32,2268.65 3413.96,2293.28 H3.1
VREF-: H3.2 SOCKET1.21 | length 2981.3
  Bottom Layer w6: SOCKET1.21 1811.3,1609.67 1824.32,1596.65 2473.32,1596.65 2633.89,1757.21 2950.92,1757.21 3173.49,1534.65 3372.23,1534.65 3401.23,1563.65 3401.23,2220.55 3423.32,2242.65 3728.13,2242.65 3778.76,2293.28 H3.2
pads on no net: J2.2 J2.4 J3.3 SW1.4 SW1.5 SW1.6 U1.4

## Polygon pours and split planes (outlines as drawn)
GND on Bottom Layer "GND_L02_P000" (solid, pour order 0): 392,3676 4133,3676 4133,1313 392,1313
GND on Top Layer "GND_L01_P001" (solid, pour order 1): 392,3676 4133,3676 4133,1313 392,1313

## Keep-outs
Keep-Out Layer:
  circle w10: c510.42,3557.46 r59.06
  circle w10: c510.42,1431.47 r59.06
  circle w10: c4014.35,1431.47 r59.06
  circle w10: c4014.35,3557.46 r59.06
  circle w10: c2990.73,1431.47 r59.06
  circle w10: c2990.73,3557.46 r59.06
  lines w10: 392.31,1313.36 4132.46,1313.36 4132.46,3675.57 392.31,3675.57 392.31,1313.36

## Silkscreen, mask and mechanical layers (free items; w line width, h text height)
Top Overlay:
  lines w10: 2990.73,1490.53 2990.73,3498.4 ; 3049.79,1431.47 3955.3,1431.47 ; 3049.79,3557.46 3955.3,3557.46 ; 4014.35,1490.53 4014.35,3498.4
  text "PE0" at 3041.81,3369.43 h60
  text "PG0" at 3363.63,3369.08 h60
  text "PD0" at 3511.07,3369.08 h60
  text "GND" at 3838.63,3369.08 h60
  text "PE1" at 3056.4,3275.97 h60
  text "PC1" at 3853.84,3275.75 h60
  text "PG1" at 3363.63,3269.08 h60
  text "PD1" at 3511.07,3269.08 h60
  text "PE2" at 3056.4,3175.97 h60
  text "PC2" at 3852.4,3175.75 h60
  text "PG2" at 3363.63,3169.08 h60
  text "PD2" at 3511.07,3169.08 h60
  text "PE3" at 3056.23,3075.97 h60
  text "PC3" at 3852.2,3075.72 h60
  text "PG3" at 3363.63,3069.08 h60
  text "PD3" at 3511.07,3069.08 h60
  text "PE4" at 3055.68,2975.97 h60
  text "PC4" at 3851.65,2975.75 h60
  text "PG4" at 3363.63,2969.08 h60
  text "PD4" at 3511.07,2969.08 h60
  text "PE5" at 3055.87,2875.97 h60
  text "PC5" at 3851.84,2875.72 h60
  text "PG5" at 3363.63,2869.08 h60
  text "PD5" at 3511.07,2869.08 h60
  text "PE6" at 3056.01,2775.97 h60
  text "PC6" at 3851.98,2775.72 h60
  text "PG6" at 3364.63,2769.08 h60
  text "PD6" at 3511.07,2769.08 h60
  text "PE7" at 3056.26,2675.97 h60
  text "PC7" at 3852.23,2675.75 h60
  text "PG7" at 3363.63,2669.08 h60
  text "PD7" at 3511.07,2669.08 h60
  text "Vref+" at 3477.66,2273.41 h60
  text "Vref-" at 3852.82,2273.41 h60
  text "PI0" at 3053.82,2266.72 h60
  text "PB0" at 3363.57,2266.72 h60
  text "PA1" at 3053.82,2173.61 h60
  text "PB1" at 3378.76,2173.61 h60
  text "PF3" at 3853.84,2173.61 h60
  text "PF0" at 3511.07,2166.72 h60
  text "PA2" at 3053.82,2073.61 h60
  text "PB2" at 3378.76,2073.61 h60
  text "PF4" at 3528.84,2073.61 h60
  text "PF5" at 3853.84,2073.61 h60
  text "PA3" at 3053.82,1973.61 h60
  text "PB3" at 3378.76,1973.61 h60
  text "PF6" at 3528.84,1973.61 h60
  text "PF7" at 3853.84,1973.61 h60
  text "GND" at 3846.83,1875.72 h60
  text "PA4" at 3053.82,1873.61 h60
  text "PB4" at 3378.76,1873.61 h60
  text "3V3" at 3519.27,1873.36 h60
  text "GND" at 3846.83,1775.72 h60
  text "PA5" at 3053.82,1773.61 h60
  text "PB5" at 3378.82,1773.61 h60
  text "3V3" at 3519.27,1773.36 h60
  text "GND" at 3846.83,1675.72 h60
  text "PA6" at 3053.82,1673.61 h60
  text "PB6" at 3378.82,1673.61 h60
  text "5V" at 3528.84,1673.61 h60
  text "GND" at 3846.83,1575.72 h60
  text "PB7" at 3378.82,1573.61 h60
  text "GND" at 3038.76,1573.36 h60
  text "5V" at 3511.07,1566.72 h60